# KiCad board processor.80C188.kicad_pcb (continued)
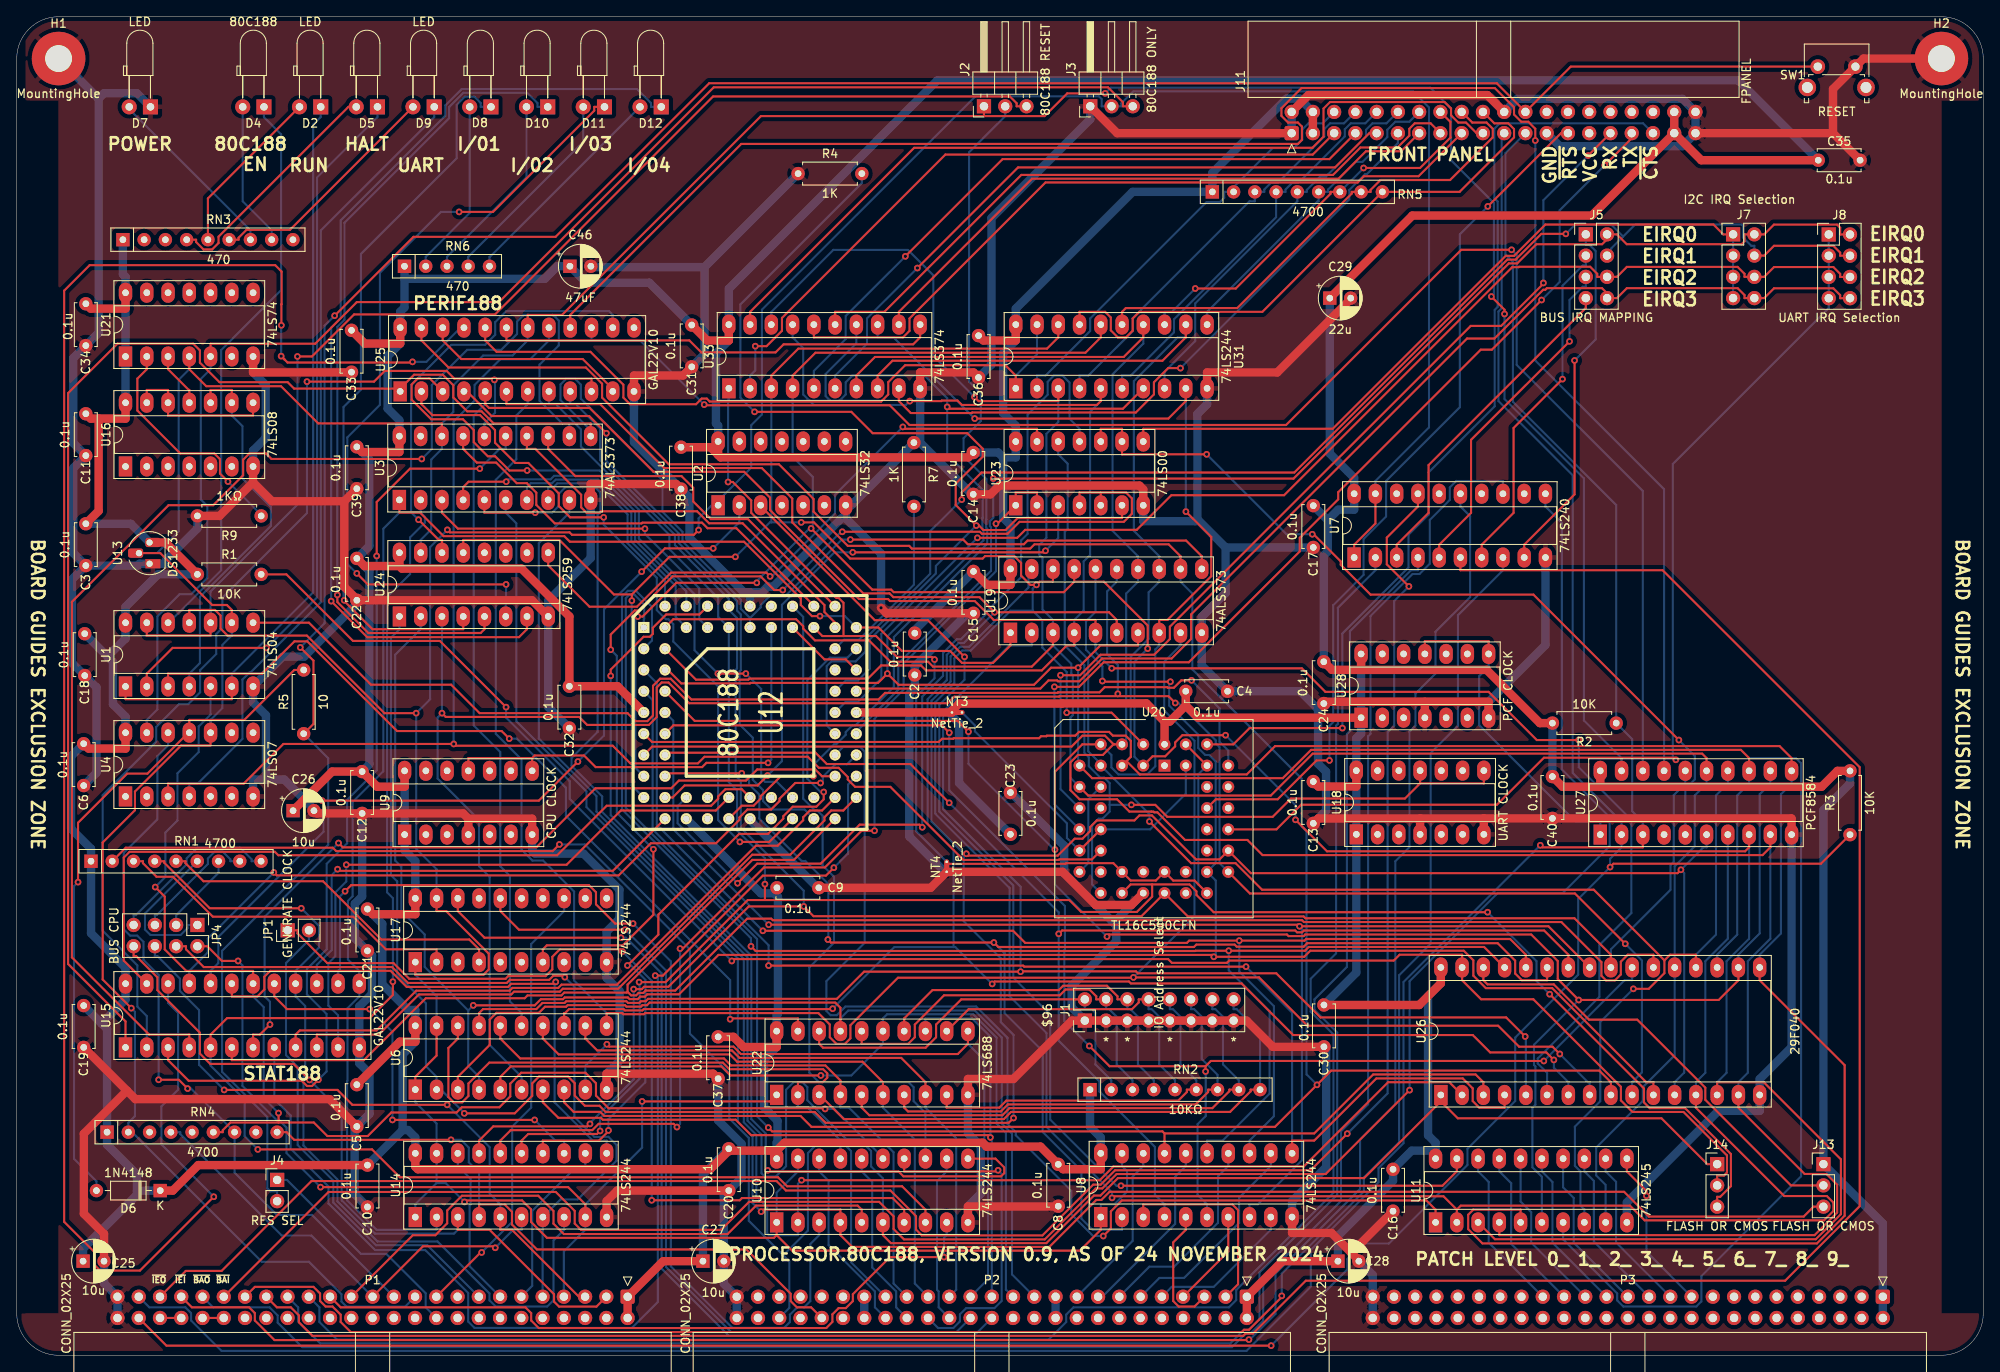
[diagram p0: board, top side]
## Text on the board (continued)
F.Silkscreen: ~{IEO} | ~{IEI} | ~{BAO} | ~{BAI} | * | $96 | BOARD GUIDES EXCLUSION ZONE | POWER | 80C188 / EN | STAT188 | RUN | HALT | UART | PERIF188 | I/01 | I/02 | I/03 | I/04 | PROCESSOR.80C188, VERSION 0.9, AS OF 24 NOVEMBER 2024 | FRONT PANEL | PATCH LEVEL 0_ 1_ 2_ 3_ 4_ 5_ 6_ 7_ 8_ 9_ | GND / ~{RTS} / VCC / RX / TX / ~{CTS} | EIRQ0 / EIRQ1 / EIRQ2 / EIRQ3
